# EAGLE board Mk4 Final Panel 6up 3x2 (EAGLE 9.0.1), part 12 of 18
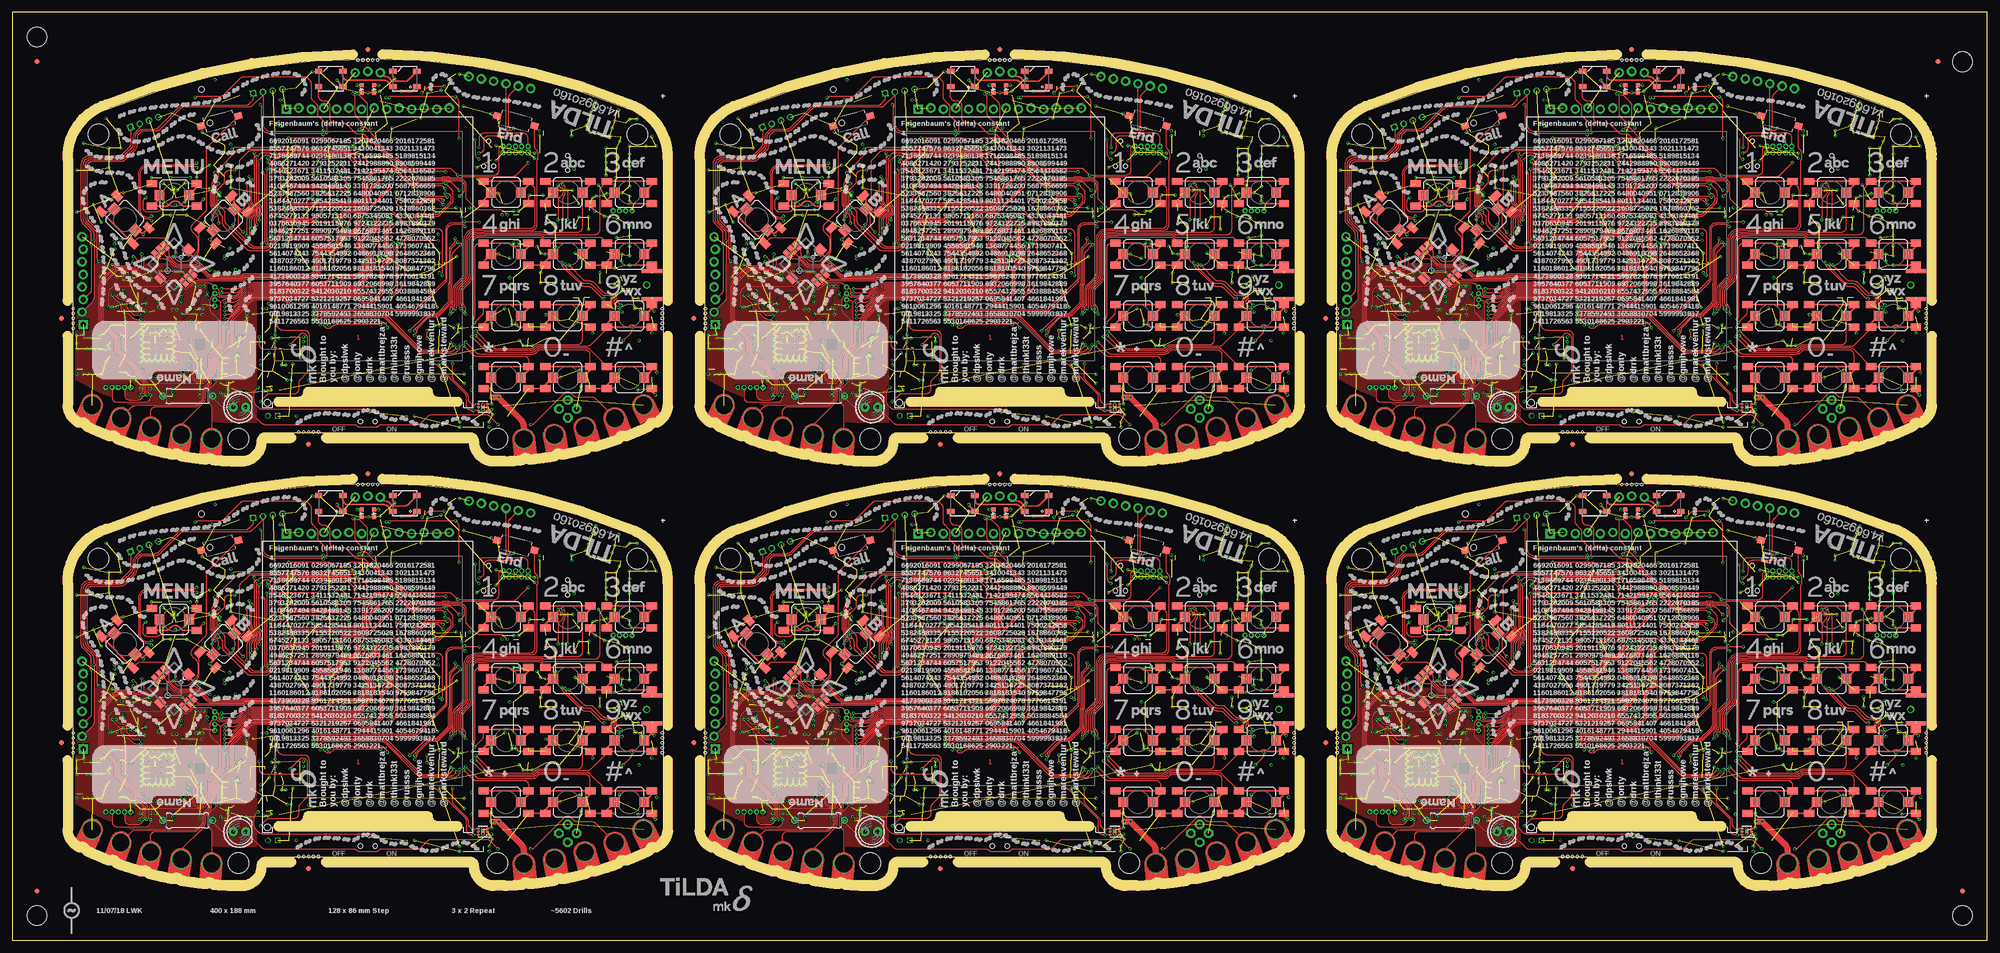
[diagram p0: board, top side]
## Tracks (layer width: path | path; a pad name or v marks a point on that pad's centre or on a via) (continued)
MUX_B4  (via drill 0.3) (continued)
  Top 0.15: v356.25,61 355.54,61.71 arc45 354.84,62 350.51,62 arc-45 349.81,62.29 348.09,64.01 arc-45 347.8,64.71 347.8,67.2 arc90 346.8,68.2 344.57,68.2 arc-45 344.43,68.26 344.32,68.37 arc45 344.18,68.42 343.42,68.42 arc45 343.27,68.37 343.17,68.26 arc-45 343.03,68.2 338.31,68.2 arc45 337.95,68.05 v337.9,68
  Bottom 0.15: R367.2 v356.25,61 | IC74.106 337.5,67.6 v337.9,68
  Bottom 0.2: IC81.6 356.46,61.96 R367.2 356.31,61.75 arc45 357.01,62.04 357.27,62.3 357.3,62.3 357.73,62.73 IC81.5
MUX_B6  (via drill 0.3)
  Top 0.15: v356.25,147 355.54,147.71 arc45 354.84,148 350.51,148 arc-45 349.81,148.29 348.09,150.01 arc-45 347.8,150.71 347.8,153.2 arc90 346.8,154.2 344.57,154.2 arc-45 344.43,154.26 344.32,154.37 arc45 344.18,154.43 343.42,154.43 arc45 343.27,154.37 343.17,154.26 arc-45 343.03,154.2 338.31,154.2 arc45 337.95,154.05 v337.9,154
  Bottom 0.15: R523.2 v356.25,147 | IC110.106 337.5,153.6 v337.9,154
  Bottom 0.2: IC117.6 356.46,147.96 R523.2 356.31,147.75 arc45 357.01,148.04 357.27,148.3 357.3,148.3 357.73,148.73 IC117.5
N$1
  cutout GND@3 (no thermals): 33.9,40.9 33.9,40.85 33.9,40.9 34.24,41.24 arc-90 34.66,41.24 34.84,41.06 arc-90 34.84,40.64 32.15,37.95 32.15,37.8 arc-90 31.85,37.5 31.75,37.5 arc-90 31.45,37.8 31.45,38.4 33.9,40.85
N$2
  cutout GND@3 (no thermals): 29.1,42.5 29.1,38.8 29.85,38.05 29.85,37.75 arc-90 29.55,37.45 29.45,37.45 arc-90 29.15,37.75 28.4,38.5 28.4,43 29.29,43.89 arc-90 29.71,43.89 29.89,43.71 arc-90 29.89,43.29
N$3
  cutout GND@3 (no thermals): 28.1,42.6 28.1,38.6 28.65,38.05 28.65,37.75 arc-90 28.35,37.45 28.25,37.45 arc-90 27.95,37.75 27.4,38.3 27.4,42.1 26.61,42.89 arc-90 26.61,43.31 26.79,43.49 arc-90 27.21,43.49
N$4
  cutout 3V3@2: 92.1,17 92.1,20.75 96.1,20.75 96.1,17
  cutout GND@3: 92.1,17 92.1,20.75 96.1,20.75 96.1,17
N$5
  cutout GND@3 (no thermals): 161.9,40.9 161.9,40.85 161.9,40.9 162.24,41.24 arc-90 162.66,41.24 162.84,41.06 arc-90 162.84,40.64 160.15,37.95 160.15,37.8 arc-90 159.85,37.5 159.75,37.5 arc-90 159.45,37.8 159.45,38.4 161.9,40.85
N$6
  cutout GND@3 (no thermals): 157.1,42.5 157.1,38.8 157.85,38.05 157.85,37.75 arc-90 157.55,37.45 157.45,37.45 arc-90 157.15,37.75 156.4,38.5 156.4,43 157.29,43.89 arc-90 157.71,43.89 157.89,43.71 arc-90 157.89,43.29
N$7
  cutout GND@3 (no thermals): 156.1,42.6 156.1,38.6 156.65,38.05 156.65,37.75 arc-90 156.35,37.45 156.25,37.45 arc-90 155.95,37.75 155.4,38.3 155.4,42.1 154.61,42.89 arc-90 154.61,43.31 154.79,43.49 arc-90 155.21,43.49
N$8
  cutout 3V3@2: 220.1,17 220.1,20.75 224.1,20.75 224.1,17
  cutout GND@3: 220.1,17 220.1,20.75 224.1,20.75 224.1,17
N$9
  cutout GND@3 (no thermals): 33.9,126.9 33.9,126.85 33.9,126.9 34.24,127.24 arc-90 34.66,127.24 34.84,127.06 arc-90 34.84,126.64 32.15,123.95 32.15,123.8 arc-90 31.85,123.5 31.75,123.5 arc-90 31.45,123.8 31.45,124.4 33.9,126.85
N$10
  cutout GND@3 (no thermals): 29.1,128.5 29.1,124.8 29.85,124.05 29.85,123.75 arc-90 29.55,123.45 29.45,123.45 arc-90 29.15,123.75 28.4,124.5 28.4,129 29.29,129.89 arc-90 29.71,129.89 29.89,129.71 arc-90 29.89,129.29
N$11
  cutout GND@3 (no thermals): 28.1,128.6 28.1,124.6 28.65,124.05 28.65,123.75 arc-90 28.35,123.45 28.25,123.45 arc-90 27.95,123.75 27.4,124.3 27.4,128.1 26.61,128.89 arc-90 26.61,129.31 26.79,129.49 arc-90 27.21,129.49
N$12
  cutout 3V3@2: 92.1,103 92.1,106.75 96.1,106.75 96.1,103
  cutout GND@3: 92.1,103 92.1,106.75 96.1,106.75 96.1,103
N$13
  cutout GND@3 (no thermals): 161.9,126.9 161.9,126.85 161.9,126.9 162.24,127.24 arc-90 162.66,127.24 162.84,127.06 arc-90 162.84,126.64 160.15,123.95 160.15,123.8 arc-90 159.85,123.5 159.75,123.5 arc-90 159.45,123.8 159.45,124.4 161.9,126.85
N$14
  cutout GND@3 (no thermals): 157.1,128.5 157.1,124.8 157.85,124.05 157.85,123.75 arc-90 157.55,123.45 157.45,123.45 arc-90 157.15,123.75 156.4,124.5 156.4,129 157.29,129.89 arc-90 157.71,129.89 157.89,129.71 arc-90 157.89,129.29
N$15
  cutout GND@3 (no thermals): 156.1,128.6 156.1,124.6 156.65,124.05 156.65,123.75 arc-90 156.35,123.45 156.25,123.45 arc-90 155.95,123.75 155.4,124.3 155.4,128.1 154.61,128.89 arc-90 154.61,129.31 154.79,129.49 arc-90 155.21,129.49
N$16
  cutout 3V3@2: 220.1,103 220.1,106.75 224.1,106.75 224.1,103
  cutout GND@3: 220.1,103 220.1,106.75 224.1,106.75 224.1,103
N$17
  cutout GND@3 (no thermals): 289.9,40.9 289.9,40.85 289.9,40.9 290.24,41.24 arc-90 290.66,41.24 290.84,41.06 arc-90 290.84,40.64 288.15,37.95 288.15,37.8 arc-90 287.85,37.5 287.75,37.5 arc-90 287.45,37.8 287.45,38.4 289.9,40.85
N$18
  cutout GND@3 (no thermals): 285.1,42.5 285.1,38.8 285.85,38.05 285.85,37.75 arc-90 285.55,37.45 285.45,37.45 arc-90 285.15,37.75 284.4,38.5 284.4,43 285.29,43.89 arc-90 285.71,43.89 285.89,43.71 arc-90 285.89,43.29
N$19
  cutout GND@3 (no thermals): 284.1,42.6 284.1,38.6 284.65,38.05 284.65,37.75 arc-90 284.35,37.45 284.25,37.45 arc-90 283.95,37.75 283.4,38.3 283.4,42.1 282.61,42.89 arc-90 282.61,43.31 282.79,43.49 arc-90 283.21,43.49
N$20
  cutout 3V3@2: 348.1,17 348.1,20.75 352.1,20.75 352.1,17
  cutout GND@3: 348.1,17 348.1,20.75 352.1,20.75 352.1,17
N$25
  cutout GND@3 (no thermals): 289.9,126.9 289.9,126.85 289.9,126.9 290.24,127.24 arc-90 290.66,127.24 290.84,127.06 arc-90 290.84,126.64 288.15,123.95 288.15,123.8 arc-90 287.85,123.5 287.75,123.5 arc-90 287.45,123.8 287.45,124.4 289.9,126.85
N$26
  cutout GND@3 (no thermals): 285.1,128.5 285.1,124.8 285.85,124.05 285.85,123.75 arc-90 285.55,123.45 285.45,123.45 arc-90 285.15,123.75 284.4,124.5 284.4,129 285.29,129.89 arc-90 285.71,129.89 285.89,129.71 arc-90 285.89,129.29
N$27
  cutout GND@3 (no thermals): 284.1,128.6 284.1,124.6 284.65,124.05 284.65,123.75 arc-90 284.35,123.45 284.25,123.45 arc-90 283.95,123.75 283.4,124.3 283.4,128.1 282.61,128.89 arc-90 282.61,129.31 282.79,129.49 arc-90 283.21,129.49
N$28
  cutout 3V3@2: 348.1,103 348.1,106.75 352.1,106.75 352.1,103
  cutout GND@3: 348.1,103 348.1,106.75 352.1,106.75 352.1,103
NETLIGHT_R
  Bottom 0.15: IC5.41 109.2,44 arc-90 108.2,43 102.75,43 R42.2
NETLIGHT_R1
  Bottom 0.15: IC21.41 237.2,44 arc-90 236.2,43 230.75,43 R124.2
NETLIGHT_R2
  Bottom 0.15: IC39.41 109.2,130 arc-90 108.2,129 102.75,129 R202.2
NETLIGHT_R3
  Bottom 0.15: IC57.41 237.2,130 arc-90 236.2,129 230.75,129 R280.2
NETLIGHT_R4
  Bottom 0.15: IC75.41 365.2,44 arc-90 364.2,43 358.75,43 R358.2
NETLIGHT_R6
  Bottom 0.15: IC111.41 365.2,130 arc-90 364.2,129 358.75,129 R514.2
OSC0
  Bottom 0.15: IC1.88 75,76.2 C16.2 74.75,77.91 arc45 74.46,78.62 X2.1
OSC1
  Bottom 0.15: IC1.89 75.4,74.1 R6.1
OSC1_R
  Bottom 0.15: R6.2 C17.2 75.75,77.47 X2.3
OSC1_R1
  Bottom 0.15: R90.2 C127.2 203.75,77.47 X6.3
OSC1_R2
  Bottom 0.15: R168.2 C235.2 75.75,163.47 X10.3
OSC1_R3
  Bottom 0.15: R246.2 C343.2 203.75,163.47 X14.3
OSC1_R4
  Bottom 0.15: R324.2 C451.2 331.75,77.47 X18.3
OSC1_R6
  Bottom 0.15: R480.2 C667.2 331.75,163.47 X26.3
OSC2
  Bottom 0.15: IC20.88 203,76.2 C126.2 202.75,77.91 arc45 202.46,78.62 X6.1
OSC3
  Bottom 0.15: IC20.89 203.4,74.1 R90.1
OSC4
  Bottom 0.15: IC38.88 75,162.2 C234.2 74.75,163.91 arc45 74.46,164.62 X10.1
OSC5
  Bottom 0.15: IC38.89 75.4,160.1 R168.1
OSC6
  Bottom 0.15: IC56.88 203,162.2 C342.2 202.75,163.91 arc45 202.46,164.62 X14.1
OSC7
  Bottom 0.15: IC56.89 203.4,160.1 R246.1
OSC8
  Bottom 0.15: IC74.88 331,76.2 C450.2 330.75,77.91 arc45 330.46,78.62 X18.1
OSC9
  Bottom 0.15: IC74.89 331.4,74.1 R324.1
OSC12
  Bottom 0.15: IC110.88 331,162.2 C666.2 330.75,163.91 arc45 330.46,164.62 X26.1
OSC13
  Bottom 0.15: IC110.89 331.4,160.1 R480.1
POWER_SWITCH  (via drill 0.3)
  Top 0.15: v73.25,21 73.02,21.23 arc45 72.31,21.52 72.03,21.52 72.01,21.5 50.71,21.5 arc-45 50.01,21.79 49.32,22.48 arc-45 49.02,23.19 49.02,24.86 arc-45 49.32,25.57 v49.75,26
  Bottom 0.15: Q3.4 50.3,26.2 R13.1 v49.75,26 | S18.3 73.61,20.85 arc-45 v73.25,21
POWER_SWITCH1  (via drill 0.3)
  Top 0.15: v201.25,21 201.02,21.23 arc45 200.31,21.52 200.03,21.52 200.01,21.5 178.71,21.5 arc-45 178.01,21.79 177.32,22.48 arc-45 177.03,23.19 177.03,24.86 arc-45 177.32,25.57 v177.75,26
  Bottom 0.15: Q7.4 178.3,26.2 R96.1 v177.75,26 | S39.3 201.61,20.85 arc-45 v201.25,21
POWER_SWITCH2  (via drill 0.3)
  Top 0.15: v73.25,107 73.02,107.23 arc45 72.31,107.53 72.03,107.53 72.01,107.5 50.71,107.5 arc-45 50.01,107.79 49.32,108.48 arc-45 49.02,109.19 49.02,110.86 arc-45 49.32,111.57 v49.75,112
  Bottom 0.15: Q12.4 50.3,112.2 R174.1 v49.75,112 | S60.3 73.61,106.85 arc-45 v73.25,107
POWER_SWITCH3  (via drill 0.3)
  Top 0.15: v201.25,107 201.02,107.23 arc45 200.31,107.53 200.03,107.53 200.01,107.5 178.71,107.5 arc-45 178.01,107.79 177.32,108.48 arc-45 177.03,109.19 177.03,110.86 arc-45 177.32,111.57 v177.75,112
  Bottom 0.15: Q16.4 178.3,112.2 R252.1 v177.75,112 | S81.3 201.61,106.85 arc-45 v201.25,107
POWER_SWITCH4  (via drill 0.3)
  Top 0.15: v329.25,21 329.02,21.23 arc45 328.31,21.52 328.03,21.52 328.01,21.5 306.71,21.5 arc-45 306.01,21.79 305.32,22.48 arc-45 305.02,23.19 305.02,24.86 arc-45 305.32,25.57 v305.75,26
  Bottom 0.15: Q20.4 306.3,26.2 R330.1 v305.75,26 | S102.3 329.61,20.85 arc-45 v329.25,21
POWER_SWITCH6  (via drill 0.3)
  Top 0.15: v329.25,107 329.02,107.23 arc45 328.31,107.53 328.03,107.53 328.01,107.5 306.71,107.5 arc-45 306.01,107.79 305.32,108.48 arc-45 305.02,109.19 305.02,110.86 arc-45 305.32,111.57 v305.75,112
  Bottom 0.15: Q28.4 306.3,112.2 R486.1 v305.75,112 | S144.3 329.61,106.85 arc-45 v329.25,107
PWM2_SPK_PWM  (via drill 0.3)
  3V3@2 0.15: v60,64.25 60.25,64 60.25,55.75 58,53.5 v57.5,53.5
  Bottom 0.15: IC1.44 61.46,63.2 arc-45 60.76,63.49 v60,64.25 | v57.5,53.5 43.98,53.5 arc-45 43.84,53.56 43.76,53.64 arc45 43.62,53.7 42.91,53.7 arc-45 42.21,53.99 41.84,54.36 arc-45 41.55,55.06 41.55,56.43 arc45 41.18,57.32 39.74,58.76 arc45 39.21,58.98 38.98,58.98 arc-90 38.48,59.48 38.48,59.69 arc45 38.29,60.13 arc-45 38,60.84 38,71.4 arc90 37,72.4 C105.2
PWM2_SPK_PWM1  (via drill 0.3)
  3V3@2 0.15: v188,64.25 188.25,64 188.25,55.75 186,53.5 v185.5,53.5
  Bottom 0.15: IC20.44 189.46,63.2 arc-45 188.76,63.49 v188,64.25 | v185.5,53.5 171.98,53.5 arc-45 171.84,53.56 171.76,53.64 arc45 171.62,53.7 170.91,53.7 arc-45 170.21,53.99 169.84,54.36 arc-45 169.55,55.06 169.55,56.43 arc45 169.18,57.32 167.75,58.76 arc45 167.21,58.98 166.97,58.98 arc-90 166.47,59.48 166.47,59.69 arc45 166.29,60.13 arc-45 166,60.84 166,71.4 arc90 165,72.4 C213.2
PWM2_SPK_PWM2  (via drill 0.3)
  3V3@2 0.15: v60,150.25 60.25,150 60.25,141.75 58,139.5 v57.5,139.5
  Bottom 0.15: IC38.44 61.46,149.2 arc-45 60.76,149.49 v60,150.25 | v57.5,139.5 43.98,139.5 arc-45 43.84,139.56 43.76,139.64 arc45 43.62,139.7 42.91,139.7 arc-45 42.21,139.99 41.84,140.36 arc-45 41.55,141.06 41.55,142.43 arc45 41.18,143.32 39.74,144.75 arc45 39.21,144.97 38.98,144.97 arc-90 38.48,145.47 38.48,145.69 arc45 38.29,146.13 arc-45 38,146.84 38,157.4 arc90 37,158.4 C321.2
PWM2_SPK_PWM3  (via drill 0.3)
  3V3@2 0.15: v188,150.25 188.25,150 188.25,141.75 186,139.5 v185.5,139.5
  Bottom 0.15: IC56.44 189.46,149.2 arc-45 188.76,149.49 v188,150.25 | v185.5,139.5 171.98,139.5 arc-45 171.84,139.56 171.76,139.64 arc45 171.62,139.7 170.91,139.7 arc-45 170.21,139.99 169.84,140.36 arc-45 169.55,141.06 169.55,142.43 arc45 169.18,143.32 167.75,144.75 arc45 167.21,144.97 166.97,144.97 arc-90 166.47,145.47 166.47,145.69 arc45 166.29,146.13 arc-45 166,146.84 166,157.4 arc90 165,158.4 C429.2
PWM2_SPK_PWM4  (via drill 0.3)
  3V3@2 0.15: v316,64.25 316.25,64 316.25,55.75 314,53.5 v313.5,53.5
  Bottom 0.15: IC74.44 317.46,63.2 arc-45 316.76,63.49 v316,64.25 | v313.5,53.5 299.98,53.5 arc-45 299.84,53.56 299.76,53.64 arc45 299.62,53.7 298.91,53.7 arc-45 298.21,53.99 297.84,54.36 arc-45 297.55,55.06 297.55,56.43 arc45 297.18,57.32 295.75,58.76 arc45 295.21,58.98 294.98,58.98 arc-90 294.48,59.48 294.48,59.69 arc45 294.29,60.13 arc-45 294,60.84 294,71.4 arc90 293,72.4 C537.2
PWM2_SPK_PWM6  (via drill 0.3)
  3V3@2 0.15: v316,150.25 316.25,150 316.25,141.75 314,139.5 v313.5,139.5
  Bottom 0.15: IC110.44 317.46,149.2 arc-45 316.76,149.49 v316,150.25 | v313.5,139.5 299.98,139.5 arc-45 299.84,139.56 299.76,139.64 arc45 299.62,139.7 298.91,139.7 arc-45 298.21,139.99 297.84,140.36 arc-45 297.55,141.06 297.55,142.43 arc45 297.18,143.32 295.75,144.75 arc45 295.21,144.97 294.98,144.97 arc-90 294.48,145.47 294.48,145.69 arc45 294.29,146.13 arc-45 294,146.84 294,157.4 arc90 293,158.4 C753.2
PWM3_MIC_PWM  (via drill 0.3)
  Top 0.15: v87.7,66.3 87.39,66.61 arc45 86.69,66.9 82.39,66.9 82.37,66.88 80.98,66.88 arc-45 80.28,67.17 77.56,69.88 arc45 77.21,70.03 73.64,70.03 arc45 72.93,69.73 71.29,68.09 arc45 71,67.39 71,64.7 arc-90 70,63.7 66.48,63.7 arc-45 v66,63.9
  Bottom 0.15: IC1.45 65.29,63.6 arc45 v65.99,63.89 v66,63.9 | v87.7,66.3 87.39,66.61 arc-45 87.1,67.31 87.1,69.75 arc-90 88.1,70.75 R53.2
PWM3_MIC_PWM1  (via drill 0.3)
  Top 0.15: v215.7,66.3 215.39,66.61 arc45 214.69,66.9 210.39,66.9 210.37,66.88 208.98,66.88 arc-45 208.28,67.17 205.56,69.88 arc45 205.21,70.03 201.64,70.03 arc45 200.93,69.73 199.29,68.09 arc45 199,67.39 199,64.7 arc-90 198,63.7 194.48,63.7 arc-45 v194,63.9
  Bottom 0.15: IC20.45 193.29,63.6 arc45 v193.99,63.89 v194,63.9 | v215.7,66.3 215.39,66.61 arc-45 215.1,67.31 215.1,69.75 arc-90 216.1,70.75 R131.2
PWM3_MIC_PWM2  (via drill 0.3)
  Top 0.15: v87.7,152.3 87.39,152.61 arc45 86.69,152.9 82.39,152.9 82.37,152.88 80.98,152.88 arc-45 80.28,153.17 77.56,155.88 arc45 77.21,156.03 73.64,156.03 arc45 72.93,155.73 71.29,154.09 arc45 71,153.39 71,150.7 arc-90 70,149.7 66.48,149.7 arc-45 v66,149.9
  Bottom 0.15: IC38.45 65.29,149.6 arc45 v65.99,149.89 v66,149.9 | v87.7,152.3 87.39,152.61 arc-45 87.1,153.31 87.1,155.75 arc-90 88.1,156.75 R209.2
PWM3_MIC_PWM3  (via drill 0.3)
  Top 0.15: v215.7,152.3 215.39,152.61 arc45 214.69,152.9 210.39,152.9 210.37,152.88 208.98,152.88 arc-45 208.28,153.17 205.56,155.88 arc45 205.21,156.03 201.64,156.03 arc45 200.93,155.73 199.29,154.09 arc45 199,153.39 199,150.7 arc-90 198,149.7 194.48,149.7 arc-45 v194,149.9
  Bottom 0.15: IC56.45 193.29,149.6 arc45 v193.99,149.89 v194,149.9 | v215.7,152.3 215.39,152.61 arc-45 215.1,153.31 215.1,155.75 arc-90 216.1,156.75 R287.2
PWM3_MIC_PWM4  (via drill 0.3)
  Top 0.15: v343.7,66.3 343.39,66.61 arc45 342.69,66.9 338.39,66.9 338.37,66.88 336.98,66.88 arc-45 336.27,67.17 333.56,69.88 arc45 333.21,70.03 329.64,70.03 arc45 328.93,69.73 327.29,68.09 arc45 327,67.39 327,64.7 arc-90 326,63.7 322.48,63.7 arc-45 v322,63.9
  Bottom 0.15: IC74.45 321.29,63.6 arc45 v321.99,63.89 v322,63.9 | v343.7,66.3 343.39,66.61 arc-45 343.1,67.31 343.1,69.75 arc-90 344.1,70.75 R365.2
PWM3_MIC_PWM6  (via drill 0.3)
  Top 0.15: v343.7,152.3 343.39,152.61 arc45 342.69,152.9 338.39,152.9 338.37,152.88 336.98,152.88 arc-45 336.27,153.17 333.56,155.88 arc45 333.21,156.03 329.64,156.03 arc45 328.93,155.73 327.29,154.09 arc45 327,153.39 327,150.7 arc-90 326,149.7 322.48,149.7 arc-45 v322,149.9
  Bottom 0.15: IC110.45 321.29,149.6 arc45 v321.99,149.89 v322,149.9 | v343.7,152.3 343.39,152.61 arc-45 343.1,153.31 343.1,155.75 arc-90 344.1,156.75 R521.2
PWM6_LCD_BLIGHT  (via drill 0.3)
  Top 0.15: v87.1,48.8 87.1,57.2 arc90 86.1,58.2 80.99,58.2 arc-45 80.28,58.49 76.85,61.92 v76.85,62.15 | v65.5,70.6 66.03,70.07 arc-45 66.17,69.72 66.17,69.35 arc90 66.92,68.6 v70.8,68.6
  3V3@2 0.15: v70.8,68.6 76.85,62.55 v76.85,62.15
  Bottom 0.15: Q8.3 87.42,49.33 arc-45 87.28,48.98 v87.1,48.8 | IC1.63 65.3,70.8 v65.5,70.6
PWM6_LCD_BLIGHT1  (via drill 0.3)
  Top 0.15: v215.1,48.8 215.1,57.2 arc90 214.1,58.2 208.99,58.2 arc-45 208.28,58.49 204.85,61.92 v204.85,62.15 | v193.5,70.6 194.03,70.07 arc-45 194.18,69.72 194.18,69.35 arc90 194.93,68.6 v198.8,68.6
  3V3@2 0.15: v198.8,68.6 204.85,62.55 v204.85,62.15
  Bottom 0.15: Q4.3 215.42,49.33 arc-45 215.28,48.98 v215.1,48.8 | IC20.63 193.3,70.8 v193.5,70.6
PWM6_LCD_BLIGHT2  (via drill 0.3)
  Top 0.15: v87.1,134.8 87.1,143.2 arc90 86.1,144.2 80.99,144.2 arc-45 80.28,144.49 76.85,147.92 v76.85,148.15 | v65.5,156.6 66.03,156.07 arc-45 66.17,155.72 66.17,155.35 arc90 66.92,154.6 v70.8,154.6
  3V3@2 0.15: v70.8,154.6 76.85,148.55 v76.85,148.15
  Bottom 0.15: Q9.3 87.42,135.33 arc-45 87.28,134.98 v87.1,134.8 | IC38.63 65.3,156.8 v65.5,156.6
PWM6_LCD_BLIGHT3  (via drill 0.3)
  Top 0.15: v215.1,134.8 215.1,143.2 arc90 214.1,144.2 208.99,144.2 arc-45 208.28,144.49 204.85,147.92 v204.85,148.15 | v193.5,156.6 194.03,156.07 arc-45 194.18,155.72 194.18,155.35 arc90 194.93,154.6 v198.8,154.6
  3V3@2 0.15: v198.8,154.6 204.85,148.55 v204.85,148.15
  Bottom 0.15: Q13.3 215.42,135.33 arc-45 215.28,134.98 v215.1,134.8 | IC56.63 193.3,156.8 v193.5,156.6
PWM6_LCD_BLIGHT4  (via drill 0.3)
  Top 0.15: v343.1,48.8 343.1,57.2 arc90 342.1,58.2 336.99,58.2 arc-45 336.28,58.49 332.85,61.92 v332.85,62.15 | v321.5,70.6 322.03,70.07 arc-45 322.18,69.72 322.18,69.35 arc90 322.93,68.6 v326.8,68.6
  3V3@2 0.15: v326.8,68.6 332.85,62.55 v332.85,62.15
  Bottom 0.15: Q17.3 343.42,49.33 arc-45 343.28,48.98 v343.1,48.8 | IC74.63 321.3,70.8 v321.5,70.6
PWM6_LCD_BLIGHT6  (via drill 0.3)
  Top 0.15: v343.1,134.8 343.1,143.2 arc90 342.1,144.2 336.99,144.2 arc-45 336.28,144.49 332.85,147.92 v332.85,148.15 | v321.5,156.6 322.03,156.07 arc-45 322.18,155.72 322.18,155.35 arc90 322.93,154.6 v326.8,154.6
  3V3@2 0.15: v326.8,154.6 332.85,148.55 v332.85,148.15
  Bottom 0.15: Q25.3 343.42,135.33 arc-45 343.28,134.98 v343.1,134.8 | IC110.63 321.3,156.8 v321.5,156.6
PWR_KEY_FET
  Bottom 0.15: IC5.39 111.4,43.25 arc-90 109.9,41.75 103.67,41.75 Q1.3
PWR_KEY_FET1
  Bottom 0.15: IC21.39 239.4,43.25 arc-90 237.9,41.75 231.68,41.75 Q6.3
PWR_KEY_FET2
  Bottom 0.15: IC39.39 111.4,129.25 arc-90 109.9,127.75 103.67,127.75 Q11.3
PWR_KEY_FET3
  Bottom 0.15: IC57.39 239.4,129.25 arc-90 237.9,127.75 231.68,127.75 Q15.3
PWR_KEY_FET4
  Bottom 0.15: IC75.39 367.4,43.25 arc-90 365.9,41.75 359.68,41.75 Q19.3
PWR_KEY_FET6
  Bottom 0.15: IC111.39 367.4,129.25 arc-90 365.9,127.75 359.68,127.75 Q27.3
RBIAS+
  Bottom 0.2: IC1.59 62.8,69.2 R3.1
RBIAS+1
  Bottom 0.2: IC20.59 190.8,69.2 R87.1
RBIAS+2
  Bottom 0.2: IC38.59 62.8,155.2 R165.1
RBIAS+3
  Bottom 0.2: IC56.59 190.8,155.2 R243.1
RBIAS+4
  Bottom 0.2: IC74.59 318.8,69.2 R321.1
RBIAS+6
  Bottom 0.2: IC110.59 318.8,155.2 R477.1
SDRAM_!CAS  (via drill 0.3)
  Top 0.15: v55.5,62.25 55.96,62.71 arc-45 56.66,63 70.1,63 arc90 71.6,64.5 71.6,66.69 arc-45 71.89,67.39 v72.5,68
  Bottom 0.15: IC2.17 54.95,62.3 55,62.25 v55.5,62.25 | IC1.83 73,68.91 arc-45 72.71,68.21 v72.5,68
SDRAM_!CAS1  (via drill 0.3)
  Top 0.15: v183.5,62.25 183.96,62.71 arc-45 184.66,63 198.1,63 arc90 199.6,64.5 199.6,66.69 arc-45 199.89,67.39 v200.5,68
  Bottom 0.15: IC19.17 182.95,62.3 183,62.25 v183.5,62.25 | IC20.83 201,68.91 arc-45 200.71,68.21 v200.5,68
SDRAM_!CAS2  (via drill 0.3)
  Top 0.15: v55.5,148.25 55.96,148.71 arc-45 56.66,149 70.1,149 arc90 71.6,150.5 71.6,152.69 arc-45 71.89,153.39 v72.5,154
  Bottom 0.15: IC37.17 54.95,148.3 55,148.25 v55.5,148.25 | IC38.83 73,154.91 arc-45 72.71,154.21 v72.5,154
SDRAM_!CAS3  (via drill 0.3)
  Top 0.15: v183.5,148.25 183.96,148.71 arc-45 184.66,149 198.1,149 arc90 199.6,150.5 199.6,152.69 arc-45 199.89,153.39 v200.5,154
  Bottom 0.15: IC55.17 182.95,148.3 183,148.25 v183.5,148.25 | IC56.83 201,154.91 arc-45 200.71,154.21 v200.5,154
SDRAM_!CAS4  (via drill 0.3)
  Top 0.15: v311.5,62.25 311.96,62.71 arc-45 312.66,63 326.1,63 arc90 327.6,64.5 327.6,66.69 arc-45 327.89,67.39 v328.5,68
  Bottom 0.15: IC73.17 310.95,62.3 311,62.25 v311.5,62.25 | IC74.83 329,68.91 arc-45 328.71,68.21 v328.5,68
SDRAM_!CAS6  (via drill 0.3)
  Top 0.15: v311.5,148.25 311.96,148.71 arc-45 312.66,149 326.1,149 arc90 327.6,150.5 327.6,152.69 arc-45 327.89,153.39 v328.5,154
  Bottom 0.15: IC109.17 310.95,148.3 311,148.25 v311.5,148.25 | IC110.83 329,154.91 arc-45 328.71,154.21 v328.5,154
SDRAM_!CS  (via drill 0.3)
  Top 0.15: v75.5,68.75 75.16,68.41 arc-45 74.89,68.3 arc45 74.18,68.01 72.49,66.32 arc45 72.2,65.61 72.2,64.4 arc-90 70.2,62.4 57.56,62.4 arc45 56.86,62.11 v55.5,60.75
  Bottom 0.15: IC2.19 54.43,60.75 v55.5,60.75 | IC1.103 78.55,68.8 arc-45 78.43,68.75 v75.5,68.75
SDRAM_!CS1  (via drill 0.3)
  Top 0.15: v203.5,68.75 203.16,68.41 arc-45 202.89,68.3 arc45 202.18,68.01 200.49,66.32 arc45 200.2,65.61 200.2,64.4 arc-90 198.2,62.4 185.56,62.4 arc45 184.86,62.11 v183.5,60.75
  Bottom 0.15: IC19.19 182.43,60.75 v183.5,60.75 | IC20.103 206.55,68.8 arc-45 206.43,68.75 v203.5,68.75
SDRAM_!CS2  (via drill 0.3)
  Top 0.15: v75.5,154.75 75.16,154.41 arc-45 74.89,154.3 arc45 74.18,154.01 72.49,152.32 arc45 72.2,151.61 72.2,150.4 arc-90 70.2,148.4 57.56,148.4 arc45 56.86,148.11 v55.5,146.75
  Bottom 0.15: IC37.19 54.43,146.75 v55.5,146.75 | IC38.103 78.55,154.8 arc-45 78.43,154.75 v75.5,154.75
SDRAM_!CS3  (via drill 0.3)
  Top 0.15: v203.5,154.75 203.16,154.41 arc-45 202.89,154.3 arc45 202.18,154.01 200.49,152.32 arc45 200.2,151.61 200.2,150.4 arc-90 198.2,148.4 185.56,148.4 arc45 184.86,148.11 v183.5,146.75
  Bottom 0.15: IC55.19 182.43,146.75 v183.5,146.75 | IC56.103 206.55,154.8 arc-45 206.43,154.75 v203.5,154.75
SDRAM_!CS4  (via drill 0.3)
  Top 0.15: v331.5,68.75 331.16,68.41 arc-45 330.89,68.3 arc45 330.18,68.01 328.49,66.32 arc45 328.2,65.61 328.2,64.4 arc-90 326.2,62.4 313.56,62.4 arc45 312.86,62.11 v311.5,60.75
  Bottom 0.15: IC73.19 310.43,60.75 v311.5,60.75 | IC74.103 334.55,68.8 arc-45 334.43,68.75 v331.5,68.75
SDRAM_!CS6  (via drill 0.3)
  Top 0.15: v331.5,154.75 331.16,154.41 arc-45 330.89,154.3 arc45 330.18,154.01 328.49,152.32 arc45 328.2,151.61 328.2,150.4 arc-90 326.2,148.4 313.56,148.4 arc45 312.86,148.11 v311.5,146.75
  Bottom 0.15: IC109.19 310.43,146.75 v311.5,146.75 | IC110.103 334.55,154.8 arc-45 334.43,154.75 v331.5,154.75
SDRAM_!RAS  (via drill 0.3)
  Top 0.15: v55.5,61.5 56.41,62.41 arc-45 57.11,62.7 70.15,62.7 arc90 71.9,64.45 71.9,66.24 arc-45 72.19,66.94 v73.25,68
  Bottom 0.15: IC2.18 v55.5,61.5 | IC1.84 73.4,68.36 arc-45 v73.25,68
SDRAM_!RAS1  (via drill 0.3)
  Top 0.15: v183.5,61.5 184.41,62.41 arc-45 185.11,62.7 198.15,62.7 arc90 199.9,64.45 199.9,66.24 arc-45 200.19,66.94 v201.25,68
  Bottom 0.15: IC19.18 v183.5,61.5 | IC20.84 201.4,68.36 arc-45 v201.25,68
SDRAM_!RAS2  (via drill 0.3)
  Top 0.15: v55.5,147.5 56.41,148.41 arc-45 57.11,148.7 70.15,148.7 arc90 71.9,150.45 71.9,152.24 arc-45 72.19,152.94 v73.25,154
  Bottom 0.15: IC37.18 v55.5,147.5 | IC38.84 73.4,154.36 arc-45 v73.25,154
SDRAM_!RAS3  (via drill 0.3)
  Top 0.15: v183.5,147.5 184.41,148.41 arc-45 185.11,148.7 198.15,148.7 arc90 199.9,150.45 199.9,152.24 arc-45 200.19,152.94 v201.25,154
  Bottom 0.15: IC55.18 v183.5,147.5 | IC56.84 201.4,154.36 arc-45 v201.25,154
SDRAM_!RAS4  (via drill 0.3)
  Top 0.15: v311.5,61.5 312.41,62.41 arc-45 313.11,62.7 326.15,62.7 arc90 327.9,64.45 327.9,66.24 arc-45 328.19,66.94 v329.25,68
  Bottom 0.15: IC73.18 v311.5,61.5 | IC74.84 329.4,68.36 arc-45 v329.25,68
SDRAM_!RAS6  (via drill 0.3)
  Top 0.15: v311.5,147.5 312.41,148.41 arc-45 313.11,148.7 326.15,148.7 arc90 327.9,150.45 327.9,152.24 arc-45 328.19,152.94 v329.25,154
  Bottom 0.15: IC109.18 v311.5,147.5 | IC110.84 329.4,154.36 arc-45 v329.25,154
SDRAM_!WE  (via drill 0.3)
  Top 0.15: v75.5,69.5 73.54,69.5 arc45 72.83,69.21 71.59,67.97 arc45 71.3,67.26 71.3,64.62 arc-90 70.05,63.38 56.29,63.38 arc45 55.58,63.08 v55.5,63
  Bottom 0.15: IC2.16 54.9,63.1 55,63 v55.5,63 | IC1.92 76.6,71.01 arc-45 76.31,70.31 v75.5,69.5
SDRAM_!WE1  (via drill 0.3)
  Top 0.15: v203.5,69.5 201.54,69.5 arc45 200.83,69.21 199.59,67.97 arc45 199.3,67.26 199.3,64.62 arc-90 198.05,63.38 184.29,63.38 arc45 183.58,63.08 v183.5,63
  Bottom 0.15: IC19.16 182.9,63.1 183,63 v183.5,63 | IC20.92 204.6,71.01 arc-45 204.31,70.31 v203.5,69.5
SDRAM_!WE2  (via drill 0.3)
  Top 0.15: v75.5,155.5 73.54,155.5 arc45 72.83,155.21 71.59,153.97 arc45 71.3,153.26 71.3,150.62 arc-90 70.05,149.38 56.29,149.38 arc45 55.58,149.08 v55.5,149
  Bottom 0.15: IC37.16 54.9,149.1 55,149 v55.5,149 | IC38.92 76.6,157.01 arc-45 76.31,156.31 v75.5,155.5
SDRAM_!WE3  (via drill 0.3)
  Top 0.15: v203.5,155.5 201.54,155.5 arc45 200.83,155.21 199.59,153.97 arc45 199.3,153.26 199.3,150.62 arc-90 198.05,149.38 184.29,149.38 arc45 183.58,149.08 v183.5,149
  Bottom 0.15: IC55.16 182.9,149.1 183,149 v183.5,149 | IC56.92 204.6,157.01 arc-45 204.31,156.31 v203.5,155.5
SDRAM_!WE4  (via drill 0.3)
  Top 0.15: v331.5,69.5 329.54,69.5 arc45 328.83,69.21 327.59,67.97 arc45 327.3,67.26 327.3,64.62 arc-90 326.05,63.38 312.29,63.38 arc45 311.58,63.08 v311.5,63
  Bottom 0.15: IC73.16 310.9,63.1 311,63 v311.5,63 | IC74.92 332.6,71.01 arc-45 332.31,70.31 v331.5,69.5
SDRAM_!WE6  (via drill 0.3)
  Top 0.15: v331.5,155.5 329.54,155.5 arc45 328.83,155.21 327.59,153.97 arc45 327.3,153.26 327.3,150.62 arc-90 326.05,149.38 312.29,149.38 arc45 311.58,149.08 v311.5,149